# KiCad board OLD_PCB.kicad_pcb (continued)
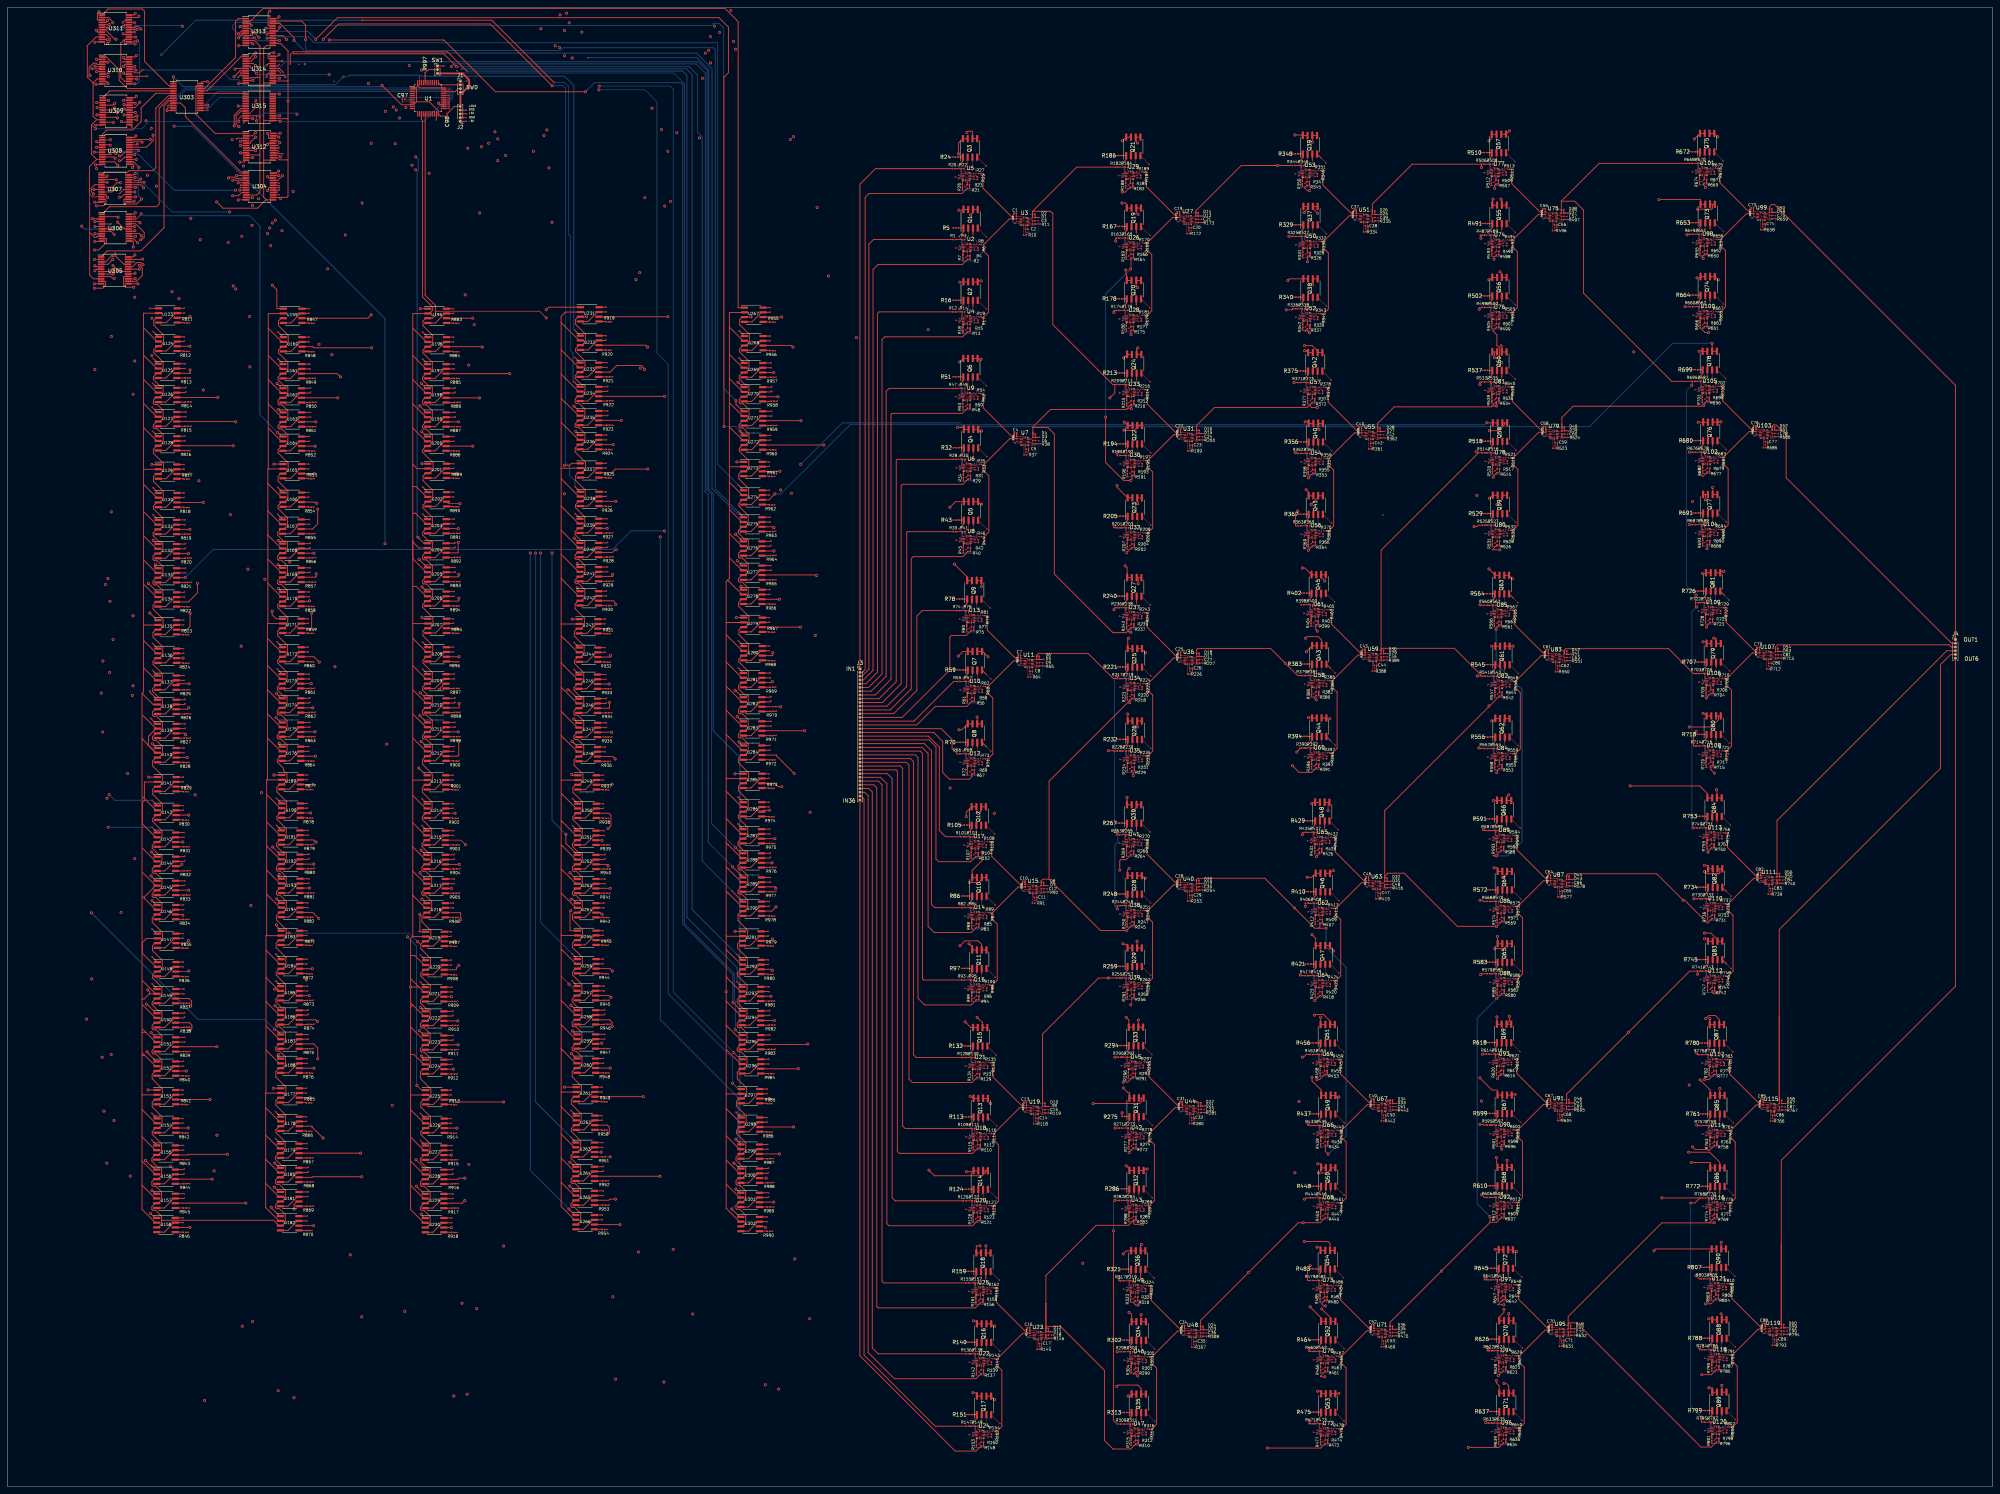
[diagram p0: board, top side]
## Routing (per net, layer and track width the routed paths; a pad name or vN(x,y) marks a point on that pad's centre or on a via; arc(x,y) is an arc through that point) (continued)
Net-(U2C--): length 2.4
  Top w0.1: U2.8 257.11,328.81 R4.1
  Top w0.25: R4.1 R2.2
Net-(U2D--): length 3.8
  Top w0.1: v1(259.38,331.73) 259.95,331.73 R8.1 ; 256.36,331.82 256.96,331.82 U2.12 257.99,331.67 v1(258.06,331.74)
  Bottom w0.1: v1(259.38,331.73) 258.07,331.73 v1(258.06,331.74)
Net-(U3B-+): length 4.7
  Top w0.1: v1(268.99,337.41) 269.02,337.39 270.05,337.39 270.12,337.46 270.55,337.46
  Top w0.25: v1(268.48,339.46) 268.72,339.7 C1.2
  Bottom w0.25: v1(268.48,339.46) 268.48,337.74 268.78,337.43 269.01,337.43 v1(268.99,337.41)
Net-(U3B--): length 3.5
  Top w0.1: R10.1 271.3,334.26 U3.6 271.15,337.06 U3.5
  Top w0.25: 271.32,334.25 R10.1
Net-(U3C--): length 3.4
  Top w0.1: 272.45,337.06 272.45,335.81 272.5,335.76 272.5,334.77 272.18,334.44 R10.2
  Top w0.25: C2.1 272.48,335.78 ; 272.18,334.44 R10.2
Net-(U3D-+): length 2.2
  Top w0.1: R11.1 C3.2 273.47,338.26 U3.11
Net-(U4A--): length 3.3
  Top w0.1: U4.1 254.92,312.63 R14.1
  Top w0.25: R14.1 254.92,313.7 R12.2
Net-(U4B--): length 2.8
  Top w0.1: U4.6 255.35,310.59 U4.5
  Top w0.25: 255.2,310.72 255.18,310.72 255.11,310.65 255.11,310.04 ; 255.11,310.04 R18.1 255.11,310.04
Net-(U4C--): length 2.8
  Top w0.1: R15.1 257.1,309.48 U4.8
  Top w0.25: 257.01,308.9 R15.1 257.01,308.9 257.01,308.9 ; 257.01,308.9 R13.2
Net-(U4D--): length 3.8
  Top w0.1: R19.1 259.95,312.41 v1(259.38,312.41) ; v1(258.06,312.42) 257.98,312.34 U4.12 256.95,312.49 U4.13
  Bottom w0.1: v1(258.06,312.42) 258.07,312.41 v1(259.38,312.41)
Net-(U5A--): length 3.3
  Top w0.1: R22.1 254.78,350.89 U5.1
  Top w0.25: R22.1 254.77,351.96 R20.2
Net-(U5B--): length 2.2
  Top w0.1: U5.5 255.21,348.85 255.81,348.85
  Top w0.25: 255.06,348.98 255.03,348.98 254.97,348.91 R26.1
Net-(U5C--): length 3.1
  Top w0.1: U5.8 256.96,347.74 256.86,347.64
  Top w0.25: R21.2 256.86,346.92 256.86,346.92 ; 256.86,346.92 256.86,347.16 ; 256.86,346.92 256.86,346.68 ; 256.86,347.64 256.86,347.16 ; 256.86,347.16 256.86,347.16 R23.1
Net-(U5D--): length 3.8
  Top w0.1: R27.1 259.8,350.67 v1(259.23,350.67) ; U5.13 256.81,350.75 U5.12 257.84,350.6 v1(257.91,350.68)
  Bottom w0.1: v1(257.91,350.68) 257.92,350.67 v1(259.23,350.67)
Net-(U6A--): length 3.6
  Top w0.1: U6.1 255.02,273.25 255.02,274.33
  Top w0.25: 255.02,274.05 255.02,274.05 R30.1 ; 253.22,274.33 255.02,274.33
Net-(U6B--): length 2.8
  Top w0.1: 256.06,271.22 255.46,271.22 U6.5
  Top w0.25: 255.22,270.66 255.22,271.28 255.28,271.34 255.31,271.34 ; 255.22,270.66 255.22,270.05 ; 255.22,270.66 255.22,270.66 R34.1
Net-(U6C--): length 2.4
  Top w0.1: R31.1 257.21,270.11 U6.8
  Top w0.25: R31.1 R29.2
Net-(U6D--): length 3.8
  Top w0.1: v1(259.48,273.03) 260.05,273.03 R35.1 ; 256.46,273.12 257.06,273.12 U6.12 258.09,272.97 v1(258.16,273.04)
  Bottom w0.1: v1(258.16,273.04) 258.17,273.03 v1(259.48,273.03)
Net-(U7B-+): length 4.9
  Top w0.1: 270.65,278.76 270.22,278.76 270.15,278.69 269.12,278.69 v1(269.09,278.71)
  Top w0.25: 268.82,281.19 268.82,281 v1(268.58,280.76) ; 268.82,281.19 C4.2 268.82,281.19
  Bottom w0.25: v1(269.09,278.71) 269.11,278.73 268.88,278.73 268.58,279.04 v1(268.58,280.76)
Net-(U7B--): length 3.5
  Top w0.1: R37.1 271.4,275.56 U7.6 271.25,278.36 270.65,278.36
Net-(U7C--): length 3.6
  Top w0.1: R37.2 272.6,276.07 272.6,277.06 272.55,277.11 272.55,278.36
  Top w0.25: C5.1 272.61,276.56 272.6,276.56
Net-(U7D-+): length 2.2
  Top w0.1: R38.1 C6.2 273.57,279.56 272.55,279.56
Net-(U8A--): length 3.8
  Top w0.1: R41.1 255.02,253.93 255.3,253.64
  Top w0.25: 253.21,255 255.02,255 R41.1 255.02,254.52
Net-(U8B--): length 2.8
  Top w0.1: 255.3,252.04 255.45,251.89 U8.6
  Top w0.25: 255.3,252.02 255.28,252.02 255.21,251.95 255.21,251.34 ; 255.21,251.34 R45.1 255.21,251.34
Net-(U8C--): length 2.4
  Top w0.1: 257.2,252.04 257.2,250.78 R42.1
  Top w0.25: R42.1 R40.2
Net-(U8D--): length 3.8
  Top w0.1: v1(258.16,253.72) 258.08,253.64 257.2,253.64 257.05,253.79 U8.13 ; R46.1 260.05,253.71 v1(259.48,253.71)
  Bottom w0.1: v1(258.16,253.72) 258.17,253.71 v1(259.48,253.71)
Net-(U9A--): length 4
  Top w0.1: 254.88,293.26 R49.1 254.88,292.19 U9.1
  Top w0.25: 253.78,293.26 R47.2 ; 253.78,293.26 254.87,293.26 254.88,293.26 ; 253.78,293.26 253.07,293.26
Net-(U9B--): length 2.2
  Top w0.1: U9.5 255.31,290.15 255.91,290.15
  Top w0.25: R53.1 255.07,290.21 255.13,290.28 255.16,290.28
Net-(U9C--): length 2.8
  Top w0.1: 256.96,288.95 257.06,289.04 U9.8
  Top w0.25: 256.96,288.46 256.96,287.98 ; 256.96,288.46 256.96,288.95 ; 256.96,288.46 256.96,288.46 R50.1
Net-(U9D--): length 3.8
  Top w0.1: 256.31,292.05 256.91,292.05 U9.12 257.94,291.9 v1(258.01,291.98) ; v1(259.33,291.97) 259.9,291.97 R54.1
  Bottom w0.1: v1(258.01,291.98) 258.02,291.97 v1(259.33,291.97)
Net-(U10A--): length 3.3
  Top w0.1: U10.1 256.07,213.92 R57.1
  Top w0.25: R57.1 256.07,214.99 254.26,214.99 R55.2
Net-(U10B--): length 2.8
  Top w0.1: 257.1,211.88 256.5,211.88 U10.5
  Top w0.25: 256.35,212.01 256.33,212.01 256.26,211.94 256.26,211.33 ; R61.1 256.26,211.33 256.26,211.33 ; 256.26,211.33 256.26,210.71
Net-(U10C--): length 2.4
  Top w0.1: R58.1 258.25,210.77 U10.8
  Top w0.25: R56.2 R58.1 258.2,210.72
Net-(U10D--): length 3.8
  Top w0.1: 257.5,213.78 258.1,213.78 U10.12 259.13,213.63 v1(259.21,213.71) ; R62.1 261.1,213.7 v1(260.53,213.7)
  Top w0.25: 261.12,213.67 R62.1
  Bottom w0.1: v1(260.53,213.7) 259.22,213.7 v1(259.21,213.71)
Net-(U11B-+): length 4.7
  Top w0.1: 271.69,219.43 271.27,219.43 271.19,219.35 270.16,219.35 v1(270.14,219.38)
  Top w0.25: 269.86,222.04 269.86,221.67 v1(269.62,221.43)
  Bottom w0.25: v1(270.14,219.38) 270.16,219.4 269.93,219.4 269.62,219.7 v1(269.62,221.43)
Net-(U11B--): length 3.5
  Top w0.1: 271.69,219.03 272.29,219.03 U11.6 272.44,216.23 R64.1
Net-(U11C--): length 3.1
  Top w0.1: 273.59,219.03 273.59,217.78 C8.1 273.65,216.73 R64.2
Net-(U11D-+): length 2.2
  Top w0.1: 273.59,220.23 274.62,220.23 274.84,220.01 R65.1
Net-(U12A--): length 3.3
  Top w0.1: U12.1 256.06,194.59 256.06,195.67
  Top w0.25: 256.06,195.67 R68.1 ; 256.06,195.67 256.06,195.67 ; 256.06,195.67 R66.2
Net-(U12B--): length 2.8
  Top w0.1: U12.5 256.5,192.56 U12.6
  Top w0.25: 256.26,192 R72.1 256.26,192 ; 256.26,192 256.26,192.62 256.32,192.68 256.35,192.68
Net-(U12C--): length 2.4
  Top w0.1: U12.8 258.25,191.44 R69.1
  Top w0.25: R67.2 R69.1 258.2,191.4
Net-(U12D--): length 3.8
  Top w0.1: v1(260.52,194.37) 261.09,194.37 R73.1 ; v1(259.2,194.38) 259.13,194.31 U12.12 258.1,194.46 U12.13
  Top w0.25: 261.12,194.34 R73.1
  Bottom w0.1: v1(259.2,194.38) 259.21,194.37 v1(260.52,194.37)
Net-(U13A--): length 4.2
  Top w0.1: 255.92,233.93 255.92,232.85 U13.1
  Top w0.25: 254.82,233.93 255.92,233.93 255.92,233.93 ; 254.82,233.93 R74.2 ; 254.82,233.93 254.11,233.93 ; R76.1 255.92,233.93 255.92,233.73
Net-(U13B--): length 2.8
  Top w0.1: U13.5 256.35,230.82 256.95,230.82
  Top w0.25: 256.11,230.26 256.11,230.88 256.18,230.94 256.2,230.94 ; 256.11,230.26 R80.1 ; 256.11,230.26 256.11,229.65
Net-(U13C--): length 2.4
  Top w0.1: 258.01,229.61 258.1,229.71 U13.8
  Top w0.25: 258.01,229.61 258.01,228.64
Net-(U13D--): length 3.8
  Top w0.1: v1(259.06,232.64) 258.98,232.57 U13.12 257.95,232.72 257.35,232.72 ; v1(260.38,232.63) 260.95,232.63 261,232.58
  Top w0.25: 260.97,232.61 R81.1
  Bottom w0.1: v1(260.38,232.63) 259.07,232.63 v1(259.06,232.64)
Net-(U14A--): length 3.5
  Top w0.1: 257.54,153.24 257.26,153.53 R84.1
  Top w0.25: 255.45,154.6 257.26,154.6 R84.1 257.26,154.41
Net-(U14B--): length 2.8
  Top w0.1: U14.6 257.69,151.49 257.54,151.64
  Top w0.25: 257.45,150.94 R88.1 257.45,150.94 ; 257.45,150.94 257.45,151.55 257.52,151.62 257.54,151.62
Net-(U14C--): length 2.4
  Top w0.1: R85.1 259.44,150.38 259.44,151.64
  Top w0.25: R85.1 R83.2
Net-(U14D--): length 3.8
  Top w0.1: U14.13 259.29,153.39 259.44,153.24 260.32,153.24 v1(260.4,153.32) ; R89.1 262.29,153.31 v1(261.72,153.31)
  Bottom w0.1: v1(260.4,153.32) 260.41,153.31 v1(261.72,153.31)
Net-(U15B-+): length 4.9
  Top w0.1: v1(271.33,158.99) 271.35,158.96 272.38,158.96 272.46,159.04 272.88,159.04
  Top w0.25: C10.2 271.05,161.46 271.05,161.46 ; 271.05,161.46 271.05,161.28 v1(270.81,161.04) ; 271.05,161.46 271.05,161.65
  Bottom w0.25: v1(271.33,158.99) 271.35,159.01 271.12,159.01 270.81,159.31 v1(270.81,161.04)
Net-(U15B--): length 3.5
  Top w0.1: 273.67,155.81 273.63,155.84 U15.6 273.48,158.64 272.88,158.64
Net-(U15C--): length 3.6
  Top w0.1: 274.78,158.64 274.78,157.39 274.84,157.33 274.84,156.34 274.31,155.81
  Top w0.25: 274.84,156.84 C11.1
Net-(U15D-+): length 2.2
  Top w0.1: 274.78,159.84 275.81,159.84 C12.2 R92.1
Net-(U16A--): length 3.5
  Top w0.1: 257.54,133.92 257.25,134.2 R95.1
  Top w0.25: 257.25,135.08 R95.1 257.25,135.28 R93.2
Net-(U16B--): length 2.8
  Top w0.1: 257.54,132.32 257.69,132.17 U16.6
  Top w0.25: 257.45,131.61 257.45,132.23 257.51,132.29 257.54,132.29 ; 257.45,131.61 R99.1 257.45,131.61
Net-(U16C--): length 2.4
  Top w0.1: 259.34,130.96 259.44,131.06 259.44,132.32
  Top w0.25: 259.34,130.96 259.34,129.99
Net-(U16D--): length 3.8
  Top w0.1: v1(260.39,133.99) 260.32,133.92 259.44,133.92 259.29,134.07 U16.13 ; v1(261.71,133.98) 262.28,133.98 R100.1
  Bottom w0.1: v1(261.71,133.98) 260.4,133.98 v1(260.39,133.99)
Net-(U17A--): length 4
  Top w0.1: R103.1 257.11,172.46 257.39,172.18
  Top w0.25: 256.01,173.54 256.01,173.54 R101.2 ; 256.01,173.54 255.3,173.54 ; 256.01,173.54 257.11,173.54 R103.1
Net-(U17B--): length 2.2
  Top w0.1: 257.39,170.58 257.54,170.43 U17.6
  Top w0.25: 257.39,170.55 257.37,170.55 257.3,170.49 R107.1
Net-(U17C--): length 2.8
  Top w0.1: 259.29,170.58 259.29,169.32 R104.1
  Top w0.25: 259.2,168.74 259.2,168.26 ; 259.2,168.74 R104.1 259.2,168.74
Net-(U17D--): length 3.8
  Top w0.1: R108.1 262.14,172.24 v1(261.57,172.24) ; U17.13 259.14,172.33 259.29,172.18 260.17,172.18 v1(260.25,172.25)
  Bottom w0.1: v1(260.25,172.25) 260.26,172.24 v1(261.57,172.24)
Net-(U18A--): length 3.5
  Top w0.1: 257.62,95.63 257.62,94.55 U18.1
  Top w0.25: 255.82,95.63 257.62,95.63 ; 257.62,95.43 R111.1
Net-(U18B--): length 2.8
  Top w0.1: U18.5 258.06,92.52 258.66,92.52
  Top w0.25: 257.82,91.96 257.82,91.96 R115.1 ; 257.82,91.96 257.82,91.35 ; 257.82,91.96 257.82,92.58 257.88,92.64 257.91,92.64
Net-(U18C--): length 2.8
  Top w0.1: U18.8 259.81,91.41 R112.1
  Top w0.25: 259.71,90.83 R110.2 ; 259.71,90.83 R112.1 259.71,90.83
Net-(U18D--): length 3.8
  Top w0.1: 259.06,94.42 259.66,94.42 U18.12 260.69,94.27 v1(260.76,94.34) ; R116.1 262.65,94.33 v1(262.08,94.33)
  Bottom w0.1: v1(260.76,94.34) 260.77,94.33 v1(262.08,94.33)
Net-(U19B-+): length 4.9
  Top w0.1: v1(271.69,100.01) 271.72,99.99 272.75,99.99 272.82,100.06 273.25,100.06
  Top w0.25: 271.42,102.49 271.42,102.3 v1(271.18,102.06) ; 271.42,102.49 C13.2 271.42,102.49
  Bottom w0.25: v1(271.69,100.01) 271.71,100.03 271.48,100.03 271.18,100.34 v1(271.18,102.06)
Net-(U19B--): length 3.5
  Top w0.1: R118.1 274,96.86 U19.6 273.85,99.66 273.25,99.66
Net-(U19C--): length 3.6
  Top w0.1: 275.15,99.66 275.15,98.41 275.2,98.36 275.2,97.37 R118.2
  Top w0.25: C14.1 275.21,97.86 275.2,97.86
Net-(U19D-+): length 2.2
  Top w0.1: 275.15,100.86 276.17,100.86 C15.2 R119.1
Net-(U20A--): length 3.5
  Top w0.1: 257.9,74.94 257.62,75.23 R122.1
  Top w0.25: 255.81,76.3 257.62,76.3 R122.1 257.62,76.11
Net-(U20B--): length 2.8
  Top w0.1: U20.6 258.05,73.19 257.9,73.34
  Top w0.25: 257.81,72.64 R126.1 257.81,72.64 ; 257.81,72.64 257.81,73.25 257.88,73.32 257.9,73.32
Net-(U20C--): length 2.8
  Top w0.1: 259.8,73.34 259.8,72.08 R123.1
  Top w0.25: 259.71,71.5 R121.2 259.71,71.5 ; 259.71,71.5 R123.1
Net-(U20D--): length 3.8
  Top w0.1: U20.13 259.65,75.09 259.8,74.94 260.69,74.94 v1(260.76,75.02) ; v1(262.08,75.01) 262.65,75.01 R127.1
  Bottom w0.1: v1(260.76,75.02) 260.77,75.01 v1(262.08,75.01)
Net-(U21A--): length 4
  Top w0.1: 257.47,114.56 R130.1 257.47,113.49 U21.1
  Top w0.25: 256.38,114.56 R128.2 ; 256.38,114.56 255.67,114.56 ; 256.38,114.56 257.47,114.56 257.47,114.56
Net-(U21B--): length 2.2
  Top w0.1: 258.51,111.45 257.91,111.45 U21.5
  Top w0.25: R134.1 257.67,111.51 257.73,111.58 257.76,111.58
Net-(U21C--): length 2.8
  Top w0.1: 259.56,110.25 259.66,110.34 U21.8
  Top w0.25: 259.56,109.76 259.56,109.76 R131.1 ; 259.56,109.76 259.56,109.28 ; 259.56,109.76 259.56,110.25
Net-(U21D--): length 3.8
  Top w0.1: 258.91,113.35 259.51,113.35 U21.12 260.54,113.2 v1(260.61,113.28) ; v1(261.94,113.27) 262.5,113.27 R135.1
  Bottom w0.1: v1(261.94,113.27) 260.62,113.27 v1(260.61,113.28)
Net-(U22A--): length 4
  Top w0.1: R138.1 258.51,34.36 258.79,34.08
  Top w0.25: 256.7,35.44 257.41,35.44 ; 257.41,35.44 257.41,35.44 R136.2 ; 257.41,35.44 258.51,35.44 R138.1
Net-(U22B--): length 2.2
  Top w0.1: U22.6 258.94,32.33 258.79,32.48
  Top w0.25: R142.1 258.7,32.39 258.77,32.45 258.79,32.45
Net-(U22C--): length 2.8
  Top w0.1: 260.69,32.48 260.69,31.22 R139.1
  Top w0.25: 260.6,30.64 R139.1 260.6,30.64 ; 260.6,30.64 260.6,30.16
Net-(U22D--): length 3.8
  Top w0.1: v1(262.97,34.14) 263.54,34.14 R143.1 ; U22.13 260.54,34.23 260.69,34.08 261.57,34.08 v1(261.65,34.15)
  Bottom w0.1: v1(261.65,34.15) 261.66,34.14 v1(262.97,34.14)
Net-(U23B-+): length 4.9
  Top w0.1: v1(272.58,39.83) 272.6,39.8 273.63,39.8 273.71,39.88 U23.4
  Top w0.25: 272.3,42.49 272.3,42.3 ; 272.3,42.3 272.3,42.3 C16.2 ; 272.3,42.3 272.3,42.11 v1(272.06,41.88)
  Bottom w0.25: v1(272.58,39.83) 272.6,39.84 272.37,39.84 272.06,40.15 v1(272.06,41.88)
Net-(U23B--): length 3.5
  Top w0.1: 274.92,36.64 274.88,36.68 U23.6 274.73,39.48 U23.5
  Top w0.25: R145.1 274.9,36.66
Net-(U23C--): length 3.9
  Top w0.1: 275.56,36.64 276.09,37.18 276.09,38.17 276.03,38.22 U23.8
  Top w0.25: C17.1 276.09,37.67 276.09,37.67 ; 275.78,36.86 R145.2
Net-(U23D-+): length 2.8
  Top w0.1: U23.11 277.06,40.68 C18.2 277.28,39.59
  Top w0.25: 277.28,39.8 R146.1 ; C18.2 277.28,40.02 277.28,40.02
Net-(U24A--): length 4
  Top w0.1: R149.1 258.5,15.04 258.79,14.75
  Top w0.25: 257.41,16.11 R147.2 257.41,16.11 ; 257.41,16.11 258.5,16.11 R149.1
Net-(U24B--): length 2.2
  Top w0.1: 258.79,13.15 258.94,13 U24.6
  Top w0.25: R153.1 258.7,13.06 258.76,13.13 258.79,13.13
Net-(U24C--): length 2.8
  Top w0.1: 260.69,13.15 260.69,11.89 260.59,11.8
  Top w0.25: 260.59,11.31 R150.1 ; 260.59,11.31 260.59,11.8 ; 260.59,11.31 R148.2
Net-(U24D--): length 3.8
  Top w0.1: U24.13 260.54,14.9 260.69,14.75 261.57,14.75 v1(261.64,14.83) ; 263.58,14.77 263.53,14.82 v1(262.96,14.82)
  Bottom w0.1: v1(262.96,14.82) 261.65,14.82 v1(261.64,14.83)
Net-(U25A--): length 3.8
  Top w0.1: U25.1 258.36,53.3 R157.1
  Top w0.25: 258.36,53.84 R157.1 258.36,54.38 R155.2
Net-(U25B--): length 2.8
  Top w0.1: U25.6 258.79,51.27 U25.5
  Top w0.25: 258.64,51.39 258.62,51.39 258.55,51.32 258.55,50.71 ; 258.55,50.71 R161.1 258.55,50.71
Net-(U25C--): length 3.1
  Top w0.1: R158.1 260.54,50.15 U25.8
  Top w0.25: 260.45,49.33 R156.2 ; 260.45,49.33 260.45,49.57 ; 260.45,49.33 260.45,49.09 ; 260.45,49.57 R158.1 260.45,49.57
Net-(U25D--): length 3.8
  Top w0.1: U25.13 260.39,53.17 U25.12 261.43,53.02 v1(261.5,53.09) ; v1(262.82,53.08) 263.39,53.08 R162.1
  Bottom w0.1: v1(261.5,53.09) 261.51,53.08 v1(262.82,53.08)
Net-(U26A--): length 3.3
  Top w0.1: R165.1 298.52,332.35 U26.1
  Top w0.25: R163.2 298.52,333.43 R165.1
Net-(U26B--): length 2.8
  Top w0.1: U26.6 298.96,330.32 U26.5
  Top w0.25: 298.72,329.76 298.72,329.76 R169.1 ; 298.72,329.76 298.72,330.38 298.78,330.44 298.81,330.44 ; 298.72,329.76 298.72,329.15
Net-(U26C--): length 2.8
  Top w0.1: R166.1 300.71,329.21 U26.8
  Top w0.25: 300.61,328.63 R164.2 ; 300.61,328.63 R166.1 300.61,328.63
Net-(U26D--): length 3.8
  Top w0.1: v1(302.98,332.13) 303.55,332.13 R170.1 ; v1(301.66,332.14) 301.59,332.07 U26.12 300.56,332.22 299.96,332.22
  Bottom w0.1: v1(301.66,332.14) 301.67,332.13 v1(302.98,332.13)
Net-(U27B-+): length 4.7
  Top w0.1: v1(312.59,337.81) 312.62,337.79 313.65,337.79 313.72,337.86 314.15,337.86
  Top w0.25: C19.2 312.32,340.1 v1(312.08,339.86)
  Bottom w0.25: v1(312.59,337.81) 312.61,337.83 312.38,337.83 312.08,338.14 v1(312.08,339.86)
Net-(U27B--): length 3.5
  Top w0.1: R172.1 314.9,334.66 U27.6 314.75,337.46 U27.5
  Top w0.25: 314.92,334.65 R172.1
Net-(U27C--): length 3.1
  Top w0.1: R172.2 316.1,335.17 316.1,336.16 316.05,336.21 316.05,337.46
Net-(U27D-+): length 2.2
  Top w0.1: U27.11 317.07,338.66 C21.2 R173.1
Net-(U28A--): length 3.3
  Top w0.1: U28.1 298.52,313.03 R176.1
  Top w0.25: R176.1 298.52,314.1 R174.2
Net-(U28B--): length 2.8
  Top w0.1: U28.6 298.95,310.99 U28.5
  Top w0.25: 298.71,310.44 298.71,311.05 298.78,311.12 298.8,311.12 ; 298.71,310.44 R180.1 298.71,310.44
Net-(U28C--): length 2.4
  Top w0.1: U28.8 300.7,309.88 R177.1
  Top w0.25: 300.61,309.71 R177.1 300.61,309.71 ; 300.61,309.71 R175.2
Net-(U28D--): length 3.8
  Top w0.1: v1(301.66,312.82) 301.58,312.74 U28.12 300.55,312.89 U28.13 ; v1(302.98,312.81) 303.55,312.81 R181.1
  Bottom w0.1: v1(301.66,312.82) 301.67,312.81 v1(302.98,312.81)
Net-(U29A--): length 3.3
  Top w0.1: U29.1 298.38,351.29 R184.1
  Top w0.25: R184.1 298.37,352.36 R182.2
Net-(U29B--): length 2.2
  Top w0.1: U29.5 298.81,349.25 299.41,349.25
  Top w0.25: R188.1 298.57,349.31 298.63,349.38 298.66,349.38
Net-(U29C--): length 2.9
  Top w0.1: U29.8 300.56,348.14 300.46,348.04
  Top w0.25: 300.51,348.09 R185.1 ; R183.2 300.46,347.56 300.46,347.56 ; 300.46,347.56 300.46,348.04 ; 300.46,347.56 300.46,347.08
Net-(U29D--): length 3.8
  Top w0.1: v1(301.51,351.08) 301.44,351 U29.12 300.41,351.15 U29.13 ; R189.1 303.4,351.07 v1(302.83,351.07)
  Bottom w0.1: v1(301.51,351.08) 301.52,351.07 v1(302.83,351.07)
Net-(U30A--): length 4
  Top w0.1: 298.77,275.36 R192.1 298.77,274.29 U30.1
  Top w0.25: 298.77,275.36 298.77,275.36 297.68,275.36 ; 297.68,275.36 R190.2 ; 297.68,275.36 296.97,275.36
Net-(U30B--): length 2.2
  Top w0.1: U30.5 299.21,272.25 299.81,272.25
  Top w0.25: R196.1 298.97,272.31 299.03,272.38 299.06,272.38
Net-(U30C--): length 2.8
  Top w0.1: 300.86,271.05 300.96,271.14 U30.8
  Top w0.25: 300.86,271.05 300.86,270.56 ; 300.86,270.56 300.86,270.08 ; 300.86,270.56 300.86,270.56 R193.1
Net-(U30D--): length 3.8
  Top w0.1: v1(303.23,274.07) 303.8,274.07 R197.1 ; v1(301.91,274.08) 301.84,274 U30.12 300.81,274.15 300.21,274.15
  Bottom w0.1: v1(301.91,274.08) 301.92,274.07 v1(303.23,274.07)
Net-(U31B-+): length 4.9
  Top w0.1: U31.4 313.98,279.8 313.9,279.73 312.87,279.73 v1(312.84,279.75)
  Top w0.25: 312.57,282.22 312.57,282.04 v1(312.33,281.8) ; 312.57,282.22 C22.2 312.57,282.22
  Bottom w0.25: v1(312.84,279.75) 312.86,279.77 312.63,279.77 312.33,280.07 v1(312.33,281.8)
Net-(U31B--): length 3.5
  Top w0.1: R199.1 315.15,276.6 U31.6 315,279.4 U31.5
  Top w0.25: 315.17,276.58 R199.1
Net-(U31C--): length 3.9
  Top w0.1: U31.8 316.3,278.15 C23.1 316.36,277.1 R199.2
  Top w0.25: 316.04,276.79 R199.2 ; 316.36,277.6 C23.1
Net-(U31D-+): length 2.8
  Top w0.1: U31.11 317.32,280.6 C24.2 R200.1
  Top w0.25: 317.54,279.95 C24.2 ; 317.54,279.73 R200.1
Net-(U32A--): length 4
  Top w0.1: R203.1 298.77,254.96 299.05,254.68
  Top w0.25: 296.96,256.04 297.67,256.04 ; 297.67,256.04 297.67,256.04 R201.2 ; 297.67,256.04 298.77,256.04 R203.1
Net-(U32B--): length 2.2
  Top w0.1: 299.05,253.08 299.2,252.93 U32.6
  Top w0.25: 299.05,253.05 299.03,253.05 298.96,252.99 R207.1
Net-(U32C--): length 2.8
  Top w0.1: 300.95,253.08 300.95,251.82 R204.1
  Top w0.25: 300.86,251.24 R204.1 300.86,251.24 ; 300.86,251.24 300.86,250.76
Net-(U32D--): length 3.8
  Top w0.1: R208.1 303.8,254.74 v1(303.23,254.74) ; v1(301.91,254.75) 301.83,254.68 300.95,254.68 300.8,254.83 U32.13
  Bottom w0.1: v1(301.91,254.75) 301.92,254.74 v1(303.23,254.74)
Net-(U33A--): length 3.8
  Top w0.1: R211.1 298.63,293.22 U33.1
  Top w0.25: R209.2 298.62,294.3 R211.1 298.63,293.76
Net-(U33B--): length 2.8
  Top w0.1: U33.5 299.06,291.19 U33.6
  Top w0.25: 298.82,290.64 298.82,290.64 R215.1 ; 298.82,290.64 298.82,291.25 298.88,291.32 298.91,291.32 ; 298.82,290.64 298.82,290.02
Net-(U33C--): length 3.1
  Top w0.1: 300.71,289.98 300.81,290.08 U33.8
  Top w0.25: 300.71,289.5 300.71,289.26 ; 300.71,289.5 300.71,289.5 R212.1 ; 300.71,289.5 300.71,289.98 ; 300.71,289.26 300.71,289.02 ; 300.71,289.26 300.71,289.26 R210.2
Net-(U33D--): length 3.8
  Top w0.1: R216.1 303.65,293 v1(303.09,293) ; U33.13 300.66,293.09 U33.12 301.69,292.94 v1(301.76,293.01)
  Top w0.25: 303.71,292.95 R216.1
  Bottom w0.1: v1(303.09,293) 301.78,293 v1(301.76,293.01)
Net-(U34A--): length 4
  Top w0.1: 298.77,215.76 R219.1 298.77,214.69 U34.1
  Top w0.25: 297.68,215.76 R217.2 ; 297.68,215.76 296.97,215.76 ; 297.68,215.76 298.77,215.76 298.77,215.76
Net-(U34B--): length 2.2
  Top w0.1: U34.5 299.21,212.65 299.81,212.65
  Top w0.25: 299.06,212.78 299.03,212.78 298.97,212.71 R223.1
Net-(U34C--): length 2.8
  Top w0.1: 300.86,211.45 300.96,211.54 U34.8
  Top w0.25: 300.86,211.45 300.86,210.96 ; 300.86,210.96 300.86,210.48 ; 300.86,210.96 300.86,210.96 R220.1
Net-(U34D--): length 3.8
  Top w0.1: v1(303.23,214.47) 303.8,214.47 R224.1 ; v1(301.91,214.48) 301.84,214.4 U34.12 300.81,214.55 300.21,214.55
  Bottom w0.1: v1(303.23,214.47) 301.92,214.47 v1(301.91,214.48)
Net-(U35A--): length 4
  Top w0.1: R230.1 298.77,195.36 299.05,195.08
  Top w0.25: R230.1 298.77,196.44 297.67,196.44 ; 296.96,196.44 297.67,196.44 ; 297.67,196.44 297.67,196.44 R228.2
Net-(U35B--): length 2.2
  Top w0.1: 299.05,193.48 299.2,193.33 U35.6
  Top w0.25: 299.05,193.45 299.03,193.45 298.96,193.39 R234.1
Net-(U35C--): length 2.8
  Top w0.1: R231.1 300.95,192.22 300.95,193.48
  Top w0.25: 300.86,191.64 R231.1 300.86,191.64 ; 300.86,191.64 300.86,191.16
Net-(U35D--): length 3.8
  Top w0.1: v1(303.23,195.14) 303.8,195.14 R235.1 ; v1(301.91,195.15) 301.83,195.08 300.95,195.08 300.8,195.23 U35.13
  Bottom w0.1: v1(301.91,195.15) 301.92,195.14 v1(303.23,195.14)
Net-(U36B-+): length 4.9
  Top w0.1: U36.4 313.98,220.2 313.9,220.13 312.87,220.13 v1(312.84,220.15)
  Top w0.25: 312.57,222.62 312.57,222.44 v1(312.33,222.2) ; 312.57,222.62 C25.2 312.57,222.62
  Bottom w0.25: v1(312.33,222.2) 312.33,220.47 312.63,220.17 312.86,220.17 v1(312.84,220.15)
Net-(U36B--): length 3.5
  Top w0.1: U36.5 315,219.8 U36.6 315.15,217 R226.1
  Top w0.25: 315.17,216.98 R226.1
Net-(U36C--): length 3.9
  Top w0.1: U36.8 316.3,218.55 C26.1 316.36,217.5 R226.2
  Top w0.25: 316.04,217.19 R226.2 ; 316.36,218 C26.1
Net-(U36D-+): length 2.8
  Top w0.1: R227.1 C27.2 317.32,221 U36.11
  Top w0.25: 317.54,220.35 R227.1 ; 317.54,220.56 C27.2
Net-(U37A--): length 3.8
  Top w0.1: R238.1 298.63,233.62 U37.1
  Top w0.25: 298.63,234.16 R238.1 298.62,234.7 R236.2
Net-(U37B--): length 2.8
  Top w0.1: U37.6 299.06,231.59 U37.5
  Top w0.25: 298.91,231.72 298.88,231.72 298.82,231.65 298.82,231.04 ; 298.82,231.04 298.82,231.04 R242.1 ; 298.82,231.04 298.82,230.42
Net-(U37C--): length 3.1
  Top w0.1: U37.8 300.81,230.48 300.71,230.38
  Top w0.25: 300.71,229.9 300.71,229.9 R239.1 ; 300.71,229.9 300.71,230.38 ; 300.71,229.9 300.71,229.66 ; 300.71,229.66 300.71,229.42 ; 300.71,229.66 300.71,229.66 R237.2
Net-(U37D--): length 3.8
  Top w0.1: v1(303.09,233.4) 303.65,233.4 R243.1 ; v1(301.76,233.41) 301.69,233.34 U37.12 300.66,233.49 U37.13
  Top w0.25: 303.71,233.35 R243.1
  Bottom w0.1: v1(301.76,233.41) 301.78,233.4 v1(303.09,233.4)
Net-(U38A--): length 4
  Top w0.1: 299.02,153.78 298.74,154.06 R246.1
  Top w0.25: 297.64,155.14 298.74,155.14 R246.1 ; 297.64,155.14 296.93,155.14 ; 297.64,155.14 297.64,155.14 R244.2
Net-(U38B--): length 2.2
  Top w0.1: U38.6 299.17,152.03 299.02,152.18
  Top w0.25: R250.1 298.93,152.09 299,152.15 299.02,152.15
Net-(U38C--): length 2.8
  Top w0.1: 300.92,152.18 300.92,150.92 R247.1
  Top w0.25: 300.83,150.34 R247.1 300.83,150.34 ; 300.83,150.34 300.83,149.86
Net-(U38D--): length 3.8
  Top w0.1: U38.13 300.77,153.93 300.92,153.78 301.8,153.78 v1(301.88,153.85) ; R251.1 303.77,153.84 v1(303.2,153.84)
  Bottom w0.1: v1(303.2,153.84) 301.89,153.84 v1(301.88,153.85)
Net-(U39A--): length 4
  Top w0.1: U39.1 298.73,134.74 R257.1
  Top w0.25: R257.1 298.73,135.81 297.64,135.81 ; 297.64,135.81 R255.2 ; 297.64,135.81 296.93,135.81
Net-(U39B--): length 2.2
  Top w0.1: U39.5 299.17,132.7 299.77,132.7
  Top w0.25: 299.02,132.83 298.99,132.83 298.93,132.76 R261.1
Net-(U39C--): length 2.8
  Top w0.1: U39.8 300.92,131.59 300.82,131.5
  Top w0.25: R258.1 300.82,131.01 300.82,131.01 ; 300.82,131.5 300.82,131.01 ; 300.82,131.01 300.82,130.53
Net-(U39D--): length 3.8
  Top w0.1: 300.17,134.6 300.77,134.6 U39.12 301.8,134.45 v1(301.87,134.53) ; v1(303.19,134.52) 303.76,134.52 303.81,134.47
  Bottom w0.1: v1(303.19,134.52) 301.88,134.52 v1(301.87,134.53)
Net-(U40B-+): length 4.9
  Top w0.1: 314.36,159.58 313.94,159.58 313.86,159.5 312.83,159.5 v1(312.81,159.53)
  Top w0.25: 312.53,162 C28.2 312.53,162 ; 312.53,162 312.53,161.81 v1(312.29,161.58)
  Bottom w0.25: v1(312.29,161.58) 312.29,159.85 312.6,159.54 312.83,159.54 v1(312.81,159.53)